# Allegro board 038RT-9068CJK8E-A100_0921_1.brd (continued)
## Placement (name value [footprint] x y rotation side) (continued)
UNK3CD175  0.1U-16-X7R-S4-TY  [C0402]  481.86 241.24 90 bottom
UNK3CD176  0.1U-16-X7R-S4-TY  [C0402]  492.48 241.24 90 bottom
UNK3CD177  0.1U-16-X7R-S4-TY  [C0402]  503.05 241.24 90 bottom
UNK3CD178  10U-16-X7R-S8-SS  [C0805]  400.93 241.7 180 bottom
UNK3CD179  10U-16-X7R-S8-SS  [C0805]  400.93 243.73 180 bottom
UNK3CD180  10U-16-X7R-S8-SS  [C0805]  395.6 241.7 0 bottom
UNK3CD181  10U-16-X7R-S8-SS  [C0805]  386.09 274.39 90 bottom
UNK3CD182  10U-16-X7R-S8-SS  [C0805]  426.3 262.69 270 bottom
UNK3CD183  10U-16-X7R-S8-SS  [C0805]  426.3 266.62 90 bottom
UNK3CG1  0.1U-16-X7R-S4-TY  [C0402_UNBGA_V2]  600.4 267.42 270 bottom
UNK3CG2  0.1U-16-X7R-S4-TY  [C0402_UNBGA_V2]  599.6 266.62 270 bottom
UNK3CG3  0.1U-16-X7R-S4-TY  [C0402_UNBGA_V2]  598.8 266.62 270 bottom
UNK3CG4  0.1U-16-X7R-S4-TY  [C0402_UNBGA_V2]  598 266.62 270 bottom
UNK3CG5  0.1U-16-X7R-S4-TY  [C0402_UNBGA_V2]  597.2 266.62 270 bottom
UNK3CG6  0.1U-16-X7R-S4-TY  [C0402_UNBGA_V2]  595.2 265.42 180 bottom
UNK3CG7  2.2U-10-X7S-S4-MU  [C0402_UNBGA_V2]  595.2 264.62 180 bottom
UNK3CG8  2.2U-10-X7S-S4-MU  [C0402_UNBGA_V2]  603.2 267.02 180 bottom
UNK3CG9  0.1U-16-X7R-S4-TY  [C0402_UNBGA_V2]  596.8 265.42 0 bottom
UNK3CG10  0.1U-16-X7R-S4-TY  [C0402_UNBGA_V2]  601.6 267.02 0 bottom
UNK3CG11  0.1U-16-X7R-S4-TY  [C0402_UNBGA_V2]  600.8 266.22 180 bottom
UNK3CG12  0.1U-16-X7R-S4-TY  [C0402_UNBGA_V2]  603.2 266.22 180 bottom
UNK3CG13  0.1U-16-X7R-S4-TY  [C0402_UNBGA_V2]  595.2 266.22 180 bottom
UNK3CG14  0.1U-16-X7R-S4-TY  [C0402_UNBGA_V2]  600.8 265.42 180 bottom
UNK3CG15  0.1U-16-X7R-S4-TY  [C0402_UNBGA_V2]  586.52 265.07 90 bottom
UNK3CG16  2.2U-10-X7S-S4-MU  [C0402_UNBGA_V2]  599.6 271.42 270 bottom
UNK3CG17  0.1U-16-X7R-S4-TY  [C0402_UNBGA_V2]  598.4 271.82 180 bottom
UNK3CG18  2.2U-10-X7S-S4-MU  [C0402_UNBGA_V2]  603.2 264.62 180 bottom
UNK3CG19  0.1U-16-X7R-S4-TY  [C0402_UNBGA_V2]  585.69 265.07 90 bottom
UNK3CG20  10U-16-X7R-S8-SS  [C0805]  623.43 327.66 0 top
UNK3CG21  10U-16-X7R-S8-SS  [C0805]  617.08 327.66 0 top
UNK3CG22  47U-10-X7R-SB-MU  [C1210]  623.43 332.74 90 top
UNK3CG23  47U-10-X7R-SB-MU  [C1210]  617.08 332.74 90 top
UNK3CG24  NC/100U-16-T-SC  [CODE_C]  617.08 341 90 top
UNK3CG25  NC/100U-16-T-SC  [CODE_C]  623.43 341 90 top
UNK3CG26  0.1U-16-X7R-S4-TY  [C0402_UNBGA_V2]  602 271.42 90 bottom
UNK3CG27  0.1U-16-X7R-S4-TY  [C0402_UNBGA_V2]  605.2 267.42 270 bottom
UNK3CG28  0.1U-16-X7R-S4-TY  [C0402_UNBGA_V2]  603.2 267.82 0 bottom
UNK3CG29  0.1U-16-X7R-S4-TY  [C0402_UNBGA_V2]  592 271.02 0 bottom
UNK3CG30  0.1U-16-X7R-S4-TY  [C0402_UNBGA_V2]  601.6 264.62 0 bottom
UNK3CG31  0.1U-16-X7R-S4-TY  [C0402_UNBGA_V2]  602 261.02 270 bottom
UNK3CG32  0.1U-16-X7R-S4-TY  [C0402_UNBGA_V2]  603.2 261.42 0 bottom
UNK3CG33  0.1U-16-X7R-S4-TY  [C0402_UNBGA_V2]  593.6 263.02 0 bottom
UNK3CG34  0.1U-16-X7R-S4-TY  [C0402_UNBGA_V2]  593.6 263.82 0 bottom
UNK3CG35  0.1U-16-X7R-S4-TY  [C0402_UNBGA_V2]  592 270.22 0 bottom
UNK3CG36  0.1U-16-X7R-S4-TY  [C0402_UNBGA_V2]  601.6 263.82 0 bottom
UNK3CG37  0.1U-16-X7R-S4-TY  [C0402_UNBGA_V2]  592.8 264.62 0 bottom
UNK3CG38  0.1U-16-X7R-S4-TY  [C0402_UNBGA_V2]  603.6 262.62 90 bottom
UNK3CG39  2.2U-10-X7S-S4-MU  [C0402_UNBGA_V2]  592 265.42 0 bottom
UNK3CG40  2.2U-10-X7S-S4-MU  [C0402_UNBGA_V2]  602 262.62 90 bottom
UNK3CG41  2.2U-10-X7S-S4-MU  [C0402_UNBGA_V2]  592 267.82 0 bottom
UNK3CG42  0.1U-16-X7R-S4-TY  [C0402_UNBGA_V2]  592.8 268.62 0 bottom
UNK3CG43  2.2U-10-X7S-S4-MU  [C0402_UNBGA_V2]  602.8 262.62 90 bottom
UNK3CG44  0.1U-16-X7R-S4-TY  [C0402_UNBGA_V2]  592 266.22 0 bottom
UNK3CG45  10U-16-X7R-S8-SS  [C0805]  617.08 306.07 0 top
UNK3CG46  10U-16-X7R-S8-SS  [C0805]  610.73 306.07 0 top
UNK3CG47  47U-10-X7R-SB-MU  [C1210]  617.08 311.15 90 top
UNK3CG48  NC/100U-16-T-SC  [CODE_C]  617.08 319.4 90 top
UNK3CG49  47U-10-X7R-SB-MU  [C1210]  610.73 311.15 90 top
UNK3CG50  NC/100U-16-T-SC  [CODE_C]  610.73 319.4 90 top
UNK3CG51  0.1U-16-X7R-S4-TY  [C0402_UNBGA_V2]  600.4 261.02 270 bottom
UNK3CG52  0.1U-16-X7R-S4-TY  [C0402_UNBGA_V2]  604 263.82 180 bottom
UNK3CG53  0.1U-16-X7R-S4-TY  [C0402_UNBGA_V2]  601.2 261.02 270 bottom
UNK3CG54  0.1U-16-X7R-S4-TY  [C0402_UNBGA_V2]  593.6 266.22 0 bottom
UNK3CG55  0.1U-16-X7R-S4-TY  [C0402_UNBGA_V2]  603.2 270.22 0 bottom
UNK3CG56  0.1U-16-X7R-S4-TY  [C0402_UNBGA_V2]  602.8 271.42 90 bottom
UNK3CG57  2.2U-10-X7S-S4-MU  [C0402_UNBGA_V2]  604.8 263.02 0 bottom
UNK3CG58  0.1U-16-X7R-S4-TY  [C0402_UNBGA_V2]  603.6 271.42 90 bottom
UNK3CG59  0.1U-16-X7R-S4-TY  [C0402_UNBGA_V2]  592.8 261.42 180 bottom
UNK3CG60  0.1U-16-X7R-S4-TY  [C0402_UNBGA_V2]  592.8 262.22 180 bottom
UNK3CG61  2.2U-10-X7S-S4-MU  [C0402_UNBGA_V2]  604.4 265.02 90 bottom
UNK3CG62  2.2U-10-X7S-S4-MU  [C0402_UNBGA_V2]  603.2 269.42 0 bottom
UNK3CG63  2.2U-10-X7S-S4-MU  [C0402_UNBGA_V2]  604 259.82 180 bottom
UNK3CG64  2.2U-10-X7S-S4-MU  [C0402_UNBGA_V2]  592.8 267.02 180 bottom
UNK3CG65  2.2U-10-X7S-S4-MU  [C0402_UNBGA_V2]  601.2 262.62 90 bottom
UNK3CG66  2.2U-10-X7S-S4-MU  [C0402_UNBGA_V2]  603.2 268.62 0 bottom
UNK3CG67  2.2U-10-X7S-S4-MU  [C0402_UNBGA_V2]  600.4 262.62 90 bottom
UNK3CG68  0.1U-16-X7R-S4-TY  [C0402_UNBGA_V2]  601.6 269.42 180 bottom
UNK3CG69  2.2U-10-X7S-S4-MU  [C0402_UNBGA_V2]  602 265.82 90 bottom
UNK3CG70  2.2U-10-X7S-S4-MU  [C0402_UNBGA_V2]  604 260.62 180 bottom
UNK3CG71  0.1U-16-X7R-S4-TY  [C0402_UNBGA_V2]  601.6 268.62 180 bottom
UNK3CG72  0.1U-16-X7R-S4-TY  [C0402_UNBGA_V2]  600.4 269.82 270 bottom
UNK3CG73  0.1U-16-X7R-S4-TY  [C0402_UNBGA_V2]  601.6 267.82 0 bottom
UNK3CG74  10U-16-X7R-S8-SS  [C0805]  602.92 283.6 90 bottom
UNK3CG75  10U-16-X7R-S8-SS  [C0805]  594.49 285.94 180 bottom
UNK3CG76  47U-10-X7R-SB-MU  [C1210]  572.63 311.15 90 top
UNK3CG77  NC/100U-16-T-SC  [CODE_C]  578.98 319.4 90 top
UNK3CG78  47U-10-X7R-SB-MU  [C1210]  578.98 311.15 90 top
UNK3CG79  NC/100U-16-T-SC  [CODE_C]  572.63 319.4 90 top
UNK3CG80  1U-16-X-S6-TY  [C0603]  584.55 265.11 90 bottom
UNK3CG81  10U-16-X7R-S8-SS  [C0805]  582.8 265.14 90 bottom
UNK3CG82  1U-16-X-S6-TY  [C0603]  583.06 270.33 270 bottom
UNK3CG83  0.1U-16-X7R-S4-TY  [C0402_UNBGA_V2]  596.4 263.42 270 bottom
UNK3CG84  0.1U-16-X7R-S4-TY  [C0402_UNBGA_V2]  595.2 263.82 180 bottom
UNK3CG85  0.1U-16-X7R-S4-TY  [C0402_UNBGA_V2]  595.2 263.02 180 bottom
UNK3CG86  10U-16-X7R-S8-SS  [C0805]  581.31 270.36 270 bottom
UNK3CG87  1U-16-X-S6-TY  [C0603]  594.47 277.75 0 bottom
UNK3CG88  10U-16-X7R-S8-SS  [C0805]  594.5 279.5 0 bottom
UNK3CG89  0.1U-16-X7R-S4-TY  [C0402_UNBGA_V2]  584.24 256.34 90 bottom
UNK3CG90  1U-16-X-S6-TY  [C0603]  598.28 277.75 180 bottom
UNK3CG91  0.1U-16-X7R-S4-TY  [C0402_UNBGA_V2]  592.37 263.42 90 bottom
UNK3CG92  0.1U-16-X7R-S4-TY  [C0402_UNBGA_V2]  596 260.62 0 bottom
UNK3CG93  10U-16-X7R-S8-SS  [C0805]  566.28 316.23 0 top
UNK3CG94  10U-16-X7R-S8-SS  [C0805]  575.54 256.39 270 bottom
UNK3CG95  47U-10-X7R-SB-MU  [C1210]  566.91 320.68 90 top
UNK3CG96  10U-16-X7R-S8-SS  [C0805]  598.31 279.5 180 bottom
UNK3CG97  47U-10-X7R-SB-MU  [C1210]  559.93 320.68 90 top
UNK3CG98  1U-16-X-S6-TY  [C0603]  583.1 260.41 90 bottom
UNK3CG99  10U-16-X7R-S8-SS  [C0805]  581.34 260.44 90 bottom
UNK3CG100  1U-16-X-S6-TY  [C0603]  583.1 256.38 90 bottom
UNK3CG101  1U-16-X-S6-TY  [C0603]  603.31 292.55 0 top
UNK3CG102  1U-16-X-S6-TY  [C0603]  568.6 262.89 180 bottom
UNK3CG103  1U-16-X-S6-TY  [C0603]  568.6 266.06 180 bottom
UNK3CG104  1U-16-X-S6-TY  [C0603]  606.16 277.75 180 bottom
UNK3CG105  10U-16-X7R-S8-SS  [C0805]  606.19 279.5 180 bottom
UNK3CG106  1U-16-X-S6-TY  [C0603]  594.19 252.92 0 bottom
UNK3CG107  10U-16-X7R-S8-SS  [C0805]  594.16 251.16 0 bottom
UNK3CG108  10U-16-X7R-S8-SS  [C0805]  579.16 275.41 90 bottom
UNK3CG109  1U-16-X-S6-TY  [C0603]  573.35 265.14 270 bottom
UNK3CG110  1U-16-X-S6-TY  [C0603]  577.27 270.33 90 bottom
UNK3CG111  1U-16-X-S6-TY  [C0603]  594.49 283.92 180 bottom
UNK3CG112  1U-16-X-S6-TY  [C0603]  577.31 256.39 270 bottom
UNK3CG113  1U-10-X7R-S8  [C0805]  598.3 283.92 0 bottom
UNK3CG114  22U-10-X7S-S8-TDK  [C0805]  602.92 279.78 90 bottom
UNK3CG115  10U-16-X7R-S8-SS  [C0805]  598.3 285.94 0 bottom
UNK3CG116  10U-16-X7R-S8-SS  [C0805]  585.33 306.07 180 top
UNK3CG117  NC/100U-16-T-SC  [CODE_C]  585.33 319.4 90 top
UNK3CG118  47U-10-X7R-SB-MU  [C1210]  585.33 311.15 90 top
UNK3CG119  47U-10-X7R-SB-MU  [C1210]  591.68 311.15 90 top
UNK3CG120  NC/100U-16-T-SC  [CODE_C]  591.68 319.4 90 top
UNK3CG121  10U-16-X7R-S8-SS  [C0805]  604.38 306.07 180 top
UNK3CG122  10U-16-X7R-S8-SS  [C0805]  598.03 306.07 180 top
UNK3CG123  47U-10-X7R-SB-MU  [C1210]  604.38 311.15 90 top
UNK3CG124  NC/100U-16-T-SC  [CODE_C]  598.03 319.4 90 top
UNK3CG125  47U-10-X7R-SB-MU  [C1210]  598.03 311.15 90 top
UNK3CG126  NC/100U-16-T-SC  [CODE_C]  604.38 319.4 90 top
UNK3CG127  0.1U-16-X7R-S4-TY  [C0402_UNBGA_V2]  597.2 269.02 90 bottom
UNK3CG128  0.1U-16-X7R-S4-TY  [C0402_UNBGA_V2]  594.8 267.42 90 bottom
UNK3CG129  0.1U-16-X7R-S4-TY  [C0402_UNBGA_V2]  594.4 269.42 0 bottom
UNK3CG130  0.1U-16-X7R-S4-TY  [C0402_UNBGA_V2]  596 269.42 180 bottom
UNK3CG131  0.1U-16-X7R-S4-TY  [C0402_UNBGA_V2]  596 271.82 180 bottom
UNK3CG132  0.1U-16-X7R-S4-TY  [C0402_UNBGA_V2]  594.4 271.82 180 bottom
UNK3CG133  0.1U-16-X7R-S4-TY  [C0402_UNBGA_V2]  592.8 271.82 180 bottom
UNK3CG134  2.2U-10-X7S-S4-MU  [C0402_UNBGA_V2]  592.8 269.42 180 bottom
UNK3CG135  1U-16-X-S6-TY  [C0603]  575.24 275.41 270 bottom
UNK3CG136  2.2U-10-X7S-S4-MU  [C0402_UNBGA_V2]  601.2 273.82 90 bottom
UNK3CG137  0.1U-16-X7R-S4-TY  [C0402_UNBGA_V2]  601.2 272.22 270 bottom
UNK3CG138  0.1U-16-X7R-S4-TY  [C0402_UNBGA_V2]  604.8 274.22 0 bottom
UNK3CG139  0.1U-16-X7R-S4-TY  [C0402_UNBGA_V2]  604.4 273.02 270 bottom
UNK3CG140  1U-16-X-S6-TY  [C0603]  598.13 252.92 180 bottom
UNK3CG141  10U-16-X7R-S8-SS  [C0805]  598.1 251.16 180 bottom
UNK3CG142  10U-16-X7R-S8-SS  [C0805]  581.34 256.41 90 bottom
UNK3CG143  1U-16-X-S6-TY  [C0603]  580.92 275.38 90 bottom
UNK3CG144  1U-16-X-S6-TY  [C0603]  606.17 283.92 0 bottom
UNK3CG145  2.2U-10-X7S-S4-MU  [C0402_UNBGA_V2]  594 258.62 270 bottom
UNK3CG146  0.1U-16-X7R-S4-TY  [C0402_UNBGA_V2]  594.18 254.06 0 bottom
UNK3CG147  0.1U-16-X7R-S4-TY  [C0402_UNBGA_V2]  594.4 260.62 0 bottom
UNK3CG148  0.1U-16-X7R-S4-TY  [C0402_UNBGA_V2]  593.2 260.22 90 bottom
UNK3CG149  1U-16-X-S6-TY  [C0603]  594.18 247.12 180 bottom
UNK3CG150  2.2U-10-X7S-S4-MU  [C0402_UNBGA_V2]  599.6 258.62 270 bottom
UNK3CG151  0.1U-16-X7R-S4-TY  [C0402_UNBGA_V2]  599.6 260.22 90 bottom
UNK3CG152  0.1U-16-X7R-S4-TY  [C0402_UNBGA_V2]  602.8 260.22 90 bottom
UNK3CG154  1U-16-X-S6-TY  [C0603]  598.11 247.12 0 bottom
UNK3CG155  10U-16-X7R-S8-SS  [C0805]  575.54 260.42 270 bottom
UNK3CG156  10U-16-X7R-S8-SS  [C0805]  566.26 306.07 180 top
UNK3CG158  47U-10-X7R-SB-MU  [C1210]  559.93 311.15 90 top
UNK3CG159  47U-10-X7R-SB-MU  [C1210]  566.28 311.15 90 top
UNK3CG161  2.2U-10-X7S-S4-MU  [C0402_UNBGA_V2]  599.6 265.02 90 bottom
UNK3CG162  0.1U-16-X7R-S4-TY  [C0402_UNBGA_V2]  598.8 265.02 90 bottom
UNK3CG163  0.1U-16-X7R-S4-TY  [C0402_UNBGA_V2]  598.8 269.02 90 bottom
UNK3CG164  0.1U-16-X7R-S4-TY  [C0402_UNBGA_V2]  598 269.02 90 bottom
UNK3CG165  0.1U-16-X7R-S4-TY  [C0402_UNBGA_V2]  598.8 263.42 270 bottom
UNK3CG166  0.1U-16-X7R-S4-TY  [C0402_UNBGA_V2]  599.6 263.42 270 bottom
UNK3CG167  1U-16-X-S6-TY  [C0603]  577.31 260.42 270 bottom
UNK3CG169  10U-16-X7R-S8-SS  [C0805]  623.43 306.07 0 top
UNK3CG170  10U-16-X7R-S8-SS  [C0805]  610.73 327.66 0 top
UNK3CG171  47U-10-X7R-SB-MU  [C1210]  611.36 332.74 90 top
UNK3CG172  NC/100U-16-T-SC  [CODE_C]  623.43 319.4 90 top
UNK3CG173  47U-10-X7R-SB-MU  [C1210]  623.43 311.15 90 top
UNK3CG174  NC/100U-16-T-SC  [CODE_C]  611.36 341 90 top
UNK3CG178  10U-16-X7R-S8-SS  [C0805]  573.48 270.33 90 bottom
UNK3CG179  10U-16-X7R-S8-SS  [C0805]  575.51 270.33 90 bottom
UNK3CG180  10U-16-X7R-S8-SS  [C0805]  573.48 275.41 270 bottom
UNK3CG181  10U-16-X7R-S8-SS  [C0805]  606.17 285.94 0 bottom
UNK3CG182  10U-16-X7R-S8-SS  [C0805]  594.18 245.22 180 bottom
UNK3CG183  10U-16-X7R-S8-SS  [C0805]  598.11 245.22 0 bottom
UNK3CG326  1U-100-X7S-S8-TDK  [C0805]  623.43 268.61 90 bottom
UNK3CG327  4.7U-100-X-SB-MU  [C1210]  627.24 268.61 90 top
UNK3CH11  0.1U-16-X7R-S4-TY  [C0402]  491.67 455.58 90 top
UNK3CH21  0.1U-16-X7R-S4-TY  [C0402]  429.66 455.58 90 top
UNK3CH111  4.7U-25-X7R-S8-TY  [C0805]  469.45 423.21 0 bottom
UNK3CH112  0.1U-16-X7R-S4-TY  [C0402]  468.92 431.98 180 bottom
UNK3CH121  4.7U-25-X7R-S8-TY  [C0805]  461.34 421.18 180 bottom
UNK3CH122  0.1U-16-X7R-S4-TY  [C0402]  468.92 430.83 180 bottom
UNK3CH131  0.1U-16-X7R-S4-TY  [C0402]  439.47 455.8 180 bottom
UNK3CH141  4.7U-25-X7R-S8-TY  [C0805]  482.52 431.47 270 bottom
UNK3CH142  0.1U-16-X7R-S4-TY  [C0402]  466.65 433.84 180 bottom
UNK3CH152  0.1U-16-X7R-S4-TY  [C0402]  461.35 433.24 90 bottom
UNK3CH153  18P-50-N-S4-SS  [C0402]  457.57 428.68 0 bottom
UNK3CH154  18P-50-N-S4-SS  [C0402]  459.6 428.68 180 bottom
UNK3CH167  0.22U-16-X7R-S4-SS  [C0402]  467.8 427.91 90 top
UNK3CH168  0.22U-16-X7R-S4-SS  [C0402]  468.94 427.91 90 top
UNK3CH211  4.7U-25-X7R-S8-TY  [C0805]  407.44 423.21 0 bottom
UNK3CH212  0.1U-16-X7R-S4-TY  [C0402]  406.91 431.98 180 bottom
UNK3CH221  4.7U-25-X7R-S8-TY  [C0805]  399.33 421.18 180 bottom
UNK3CH222  0.1U-16-X7R-S4-TY  [C0402]  406.91 430.83 180 bottom
UNK3CH241  4.7U-25-X7R-S8-TY  [C0805]  420.51 431.47 270 bottom
UNK3CH242  0.1U-16-X7R-S4-TY  [C0402]  404.64 433.84 180 bottom
UNK3CH252  0.1U-16-X7R-S4-TY  [C0402]  399.34 433.24 90 bottom
UNK3CH253  18P-50-N-S4-SS  [C0402]  395.56 428.68 0 bottom
UNK3CH254  18P-50-N-S4-SS  [C0402]  397.6 428.68 180 bottom
UNK3CH267  0.22U-16-X7R-S4-SS  [C0402]  405.79 427.91 90 top
UNK3CH268  0.22U-16-X7R-S4-SS  [C0402]  406.93 427.91 90 top
UNK3CH1111  4.7U-25-X7R-S8-TY  [C0805]  480.09 436.05 0 bottom
UNK3CH1112  0.1U-16-X7R-S4-TY  [C0402]  466.65 436.64 180 bottom
UNK3CH1171  4.7U-25-X7R-S8-TY  [C0805]  468.79 443.61 90 bottom
UNK3CH1172  4.7U-25-X7R-S8-TY  [C0805]  461.46 444.7 90 bottom
UNK3CH1173  0.1U-16-X7R-S4-TY  [C0402]  468.99 439.98 0 bottom
UNK3CH1174  0.1U-16-X7R-S4-TY  [C0402]  468.99 441.25 0 bottom
UNK3CH1201  4.7U-25-X7R-S8-TY  [C0805]  470.58 446.46 0 bottom
UNK3CH1202  0.1U-16-X7R-S4-TY  [C0402]  466.45 438.39 270 bottom
UNK3CH1251  4.7U-25-X7R-S8-TY  [C0805]  470.58 448.68 0 bottom
UNK3CH1252  0.1U-16-X7R-S4-TY  [C0402]  464.44 438.45 270 bottom
UNK3CH1331  0.1U-16-X7R-S4-TY  [C0402]  462.04 438.45 270 bottom
UNK3CH1332  0.1U-16-X7R-S4-TY  [C0402]  439.67 444.35 180 bottom
UNK3CH1333  4.7U-25-X7R-S8-TY  [C0805]  438.87 442.32 180 bottom
UNK3CH1334  4.7U-25-X7R-S8-TY  [C0805]  438.87 439.78 180 bottom
UNK3CH1341  4.7U-25-X7R-S8-TY  [C0805]  459.43 444.7 90 bottom
UNK3CH1342  0.1U-16-X7R-S4-TY  [C0402]  460.9 438.45 270 bottom
UNK3CH1351  4.7U-25-X7R-S8-TY  [C0805]  454.88 441.63 180 bottom
UNK3CH1352  0.1U-16-X7R-S4-TY  [C0402]  459.26 438.98 0 bottom
UNK3CH1361  1U-16-X-S6-TY  [C0603]  449.01 436.12 90 bottom
UNK3CH1362  1U-16-X-S6-TY  [C0603]  449.01 432.43 270 bottom
UNK3CH1363  0.1U-16-X7R-S4-TY  [C0402]  454.97 437.37 90 bottom
UNK3CH1364  0.1U-16-X7R-S4-TY  [C0402]  456.12 437.37 90 bottom
UNK3CH1391  4.7U-25-X7R-S8-TY  [C0805]  454.88 439.6 180 bottom
UNK3CH1392  0.1U-16-X7R-S4-TY  [C0402]  459.26 437.84 0 bottom
UNK3CH1401  1U-16-X-S6-TY  [C0603]  450.48 436.12 90 bottom
UNK3CH1402  1U-16-X-S6-TY  [C0603]  451.96 436.12 90 bottom
UNK3CH1403  0.1U-16-X7R-S4-TY  [C0402]  459.26 433.26 0 bottom
UNK3CH1404  0.1U-16-X7R-S4-TY  [C0402]  459.26 434.41 0 bottom
UNK3CH1501  1U-16-X-S6-TY  [C0603]  451.96 432.43 270 bottom
UNK3CH1502  1U-16-X-S6-TY  [C0603]  450.48 432.43 270 bottom
UNK3CH1503  0.1U-16-X7R-S4-TY  [C0402]  459.26 435.55 0 bottom
UNK3CH1504  0.1U-16-X7R-S4-TY  [C0402]  459.26 436.69 0 bottom
UNK3CH1551  4.7U-25-X7R-S8-TY  [C0805]  461.34 423.24 180 bottom
UNK3CH1552  1U-16-X-S6-TY  [C0603]  462.46 429.49 270 bottom
UNK3CH1601  4.7U-25-X7R-S8-TY  [C0805]  465 423.24 0 bottom
UNK3CH1602  1U-16-X-S6-TY  [C0603]  463.87 429.49 270 bottom
UNK3CH1631  4.7U-25-X7R-S8-TY  [C0805]  465 421.18 0 bottom
UNK3CH1632  0.1U-16-X7R-S4-TY  [C0402]  465.14 429.18 270 bottom
UNK3CH1633  0.1U-16-X7R-S4-TY  [C0402]  479.9 437.69 0 bottom
UNK3CH1634  4.7U-25-X7R-S8-TY  [C0805]  480.09 439.29 0 bottom
UNK3CH2111  4.7U-25-X7R-S8-TY  [C0805]  418.08 436.05 0 bottom
UNK3CH2112  0.1U-16-X7R-S4-TY  [C0402]  404.64 436.64 180 bottom
UNK3CH2171  4.7U-25-X7R-S8-TY  [C0805]  406.78 443.61 90 bottom
UNK3CH2172  4.7U-25-X7R-S8-TY  [C0805]  399.45 444.7 90 bottom
UNK3CH2173  0.1U-16-X7R-S4-TY  [C0402]  406.98 439.98 0 bottom
UNK3CH2174  0.1U-16-X7R-S4-TY  [C0402]  406.98 441.25 0 bottom
UNK3CH2201  4.7U-25-X7R-S8-TY  [C0805]  408.57 446.46 0 bottom
UNK3CH2202  0.1U-16-X7R-S4-TY  [C0402]  404.44 438.39 270 bottom
UNK3CH2251  4.7U-25-X7R-S8-TY  [C0805]  408.57 448.68 0 bottom
UNK3CH2252  0.1U-16-X7R-S4-TY  [C0402]  402.43 438.45 270 bottom
UNK3CH2331  0.1U-16-X7R-S4-TY  [C0402]  400.03 438.45 270 bottom
UNK3CH2341  4.7U-25-X7R-S8-TY  [C0805]  397.42 444.7 90 bottom
UNK3CH2342  0.1U-16-X7R-S4-TY  [C0402]  398.89 438.45 270 bottom
UNK3CH2351  4.7U-25-X7R-S8-TY  [C0805]  392.88 441.63 180 bottom
UNK3CH2352  0.1U-16-X7R-S4-TY  [C0402]  397.25 438.98 0 bottom
UNK3CH2361  1U-16-X-S6-TY  [C0603]  387 436.12 90 bottom
UNK3CH2362  1U-16-X-S6-TY  [C0603]  387 432.43 270 bottom
UNK3CH2363  0.1U-16-X7R-S4-TY  [C0402]  392.96 437.37 90 bottom
UNK3CH2364  0.1U-16-X7R-S4-TY  [C0402]  394.11 437.37 90 bottom
UNK3CH2391  4.7U-25-X7R-S8-TY  [C0805]  392.88 439.6 180 bottom
UNK3CH2392  0.1U-16-X7R-S4-TY  [C0402]  397.25 437.84 0 bottom
UNK3CH2401  1U-16-X-S6-TY  [C0603]  388.47 436.12 90 bottom
UNK3CH2402  1U-16-X-S6-TY  [C0603]  389.95 436.12 90 bottom
UNK3CH2403  0.1U-16-X7R-S4-TY  [C0402]  397.25 433.26 0 bottom
UNK3CH2404  0.1U-16-X7R-S4-TY  [C0402]  397.25 434.41 0 bottom
UNK3CH2501  1U-16-X-S6-TY  [C0603]  389.95 432.43 270 bottom
UNK3CH2502  1U-16-X-S6-TY  [C0603]  388.47 432.43 270 bottom
UNK3CH2503  0.1U-16-X7R-S4-TY  [C0402]  397.25 435.55 0 bottom
UNK3CH2504  0.1U-16-X7R-S4-TY  [C0402]  397.25 436.69 0 bottom
UNK3CH2551  4.7U-25-X7R-S8-TY  [C0805]  399.33 423.24 180 bottom
UNK3CH2552  1U-16-X-S6-TY  [C0603]  400.45 429.49 270 bottom
UNK3CH2601  4.7U-25-X7R-S8-TY  [C0805]  402.99 423.24 0 bottom
UNK3CH2602  1U-16-X-S6-TY  [C0603]  401.87 429.49 270 bottom
UNK3CH2631  4.7U-25-X7R-S8-TY  [C0805]  402.99 421.18 0 bottom
UNK3CH2632  0.1U-16-X7R-S4-TY  [C0402]  403.13 429.18 270 bottom
UNK3CH2633  0.1U-16-X7R-S4-TY  [C0402]  417.89 437.69 0 bottom
UNK3CH2634  4.7U-25-X7R-S8-TY  [C0805]  418.08 439.29 0 bottom
UNK3CMOS1  DMC1015UPD-13-POWERDI5060-8  [TRANS_POWERPAK_8P]  359.89 287.33 90 bottom
UNK3CON1  RJ45-1X1-D90-KINSUN-1  [CONN_RJ45_1X1D90_8P_90754D]  682.83 184.4 270 bottom
UNK3CON3  RJ45-1X1-D90-KINSUN-1  [CONN_RJ45_1X1D90_8P_90754D]  682.83 152.02 270 bottom
UNK3CS1  22U-10-X7S-S8-TDK  [C0805]  566.92 452.51 0 top
UNK3CS2  100P-50-N-S4-YA  [C0402]  573.59 450.93 180 top
UNK3CS3  22U-10-X7S-S8-TDK  [C0805]  563.11 448.39 270 top
UNK3CS4  22U-10-X7S-S8-TDK  [C0805]  560.57 448.39 270 top
UNK3CS5  22P-50-N-S4-YA  [C0402]  573.59 448.39 0 top
UNK3CS61  0.1U-16-X7R-S4-TY  [C0402]  560.6 243.32 0 bottom
UNK3CS62  0.1U-16-X7R-S4-TY  [C0402]  560.6 244.48 0 bottom
UNK3CS63  0.1U-16-X7R-S4-TY  [C0402]  560.6 245.82 0 bottom
UNK3CS64  0.1U-16-X7R-S4-TY  [C0402]  560.6 246.99 0 bottom
UNK3CS71  0.1U-16-X7R-S4-TY  [C0402]  560.6 252.33 0 bottom
UNK3CS72  0.1U-16-X7R-S4-TY  [C0402]  560.6 253.5 0 bottom
UNK3CS73  0.1U-16-X7R-S4-TY  [C0402]  560.6 254.84 0 bottom
UNK3CS74  0.1U-16-X7R-S4-TY  [C0402]  560.6 256.01 0 bottom
UNK3CS101  0.1U-16-X7R-S4-TY  [C0402]  567.57 275.16 0 top
UNK3CS102  0.1U-16-X7R-S4-TY  [C0402]  567.57 276.33 0 top
UNK3CS103  0.22U-16-X7R-S4-SS  [C0402]  452.7 246.7 0 bottom
UNK3CS104  0.22U-16-X7R-S4-SS  [C0402]  452.7 245.53 0 bottom
UNK3CS107  0.1U-16-X7R-S4-TY  [C0402]  559.12 268.98 0 bottom
UNK3CS108  0.1U-16-X7R-S4-TY  [C0402]  559.12 270.15 0 bottom
UNK3CS111  0.1U-16-X7R-S4-TY  [C0402]  567.57 272.65 0 top
UNK3CS112  0.1U-16-X7R-S4-TY  [C0402]  567.57 273.82 0 top
UNK3CS113  0.22U-16-X7R-S4-SS  [C0402]  452.7 254.7 0 bottom
UNK3CS114  0.22U-16-X7R-S4-SS  [C0402]  452.7 253.53 0 bottom
UNK3CS117  0.1U-16-X7R-S4-TY  [C0402]  559.12 266.12 0 bottom
UNK3CS118  0.1U-16-X7R-S4-TY  [C0402]  559.12 267.29 0 bottom
UNK3GPHY2  CU/CONN-F-9-2304372-9-TE-V2  [CONN_SPECIFIC_8P_TE_V2]  679.31 288.93 270 bottom
UNK3GPHY3  CU/CONN-F-9-2304372-9-TE-V2  [CONN_SPECIFIC_8P_TE_V2]  679.31 269.88 270 bottom
UNK3HOST1  RTL9210-QFN68/CU/RTL9210-QFN68-8X8  [SK_QFN8X8_68P_0P4MM_ISC]  464.04 435.84 180 top
UNK3HOST2  RTL9210-QFN68/CU/RTL9210-QFN68-8X8  [SK_QFN8X8_68P_0P4MM_ISC]  402.03 435.84 180 top
UNK3K4  CU/EC2-12NJ-A  [RL_NAL_12V]  504.82 429.82 90 top
UNK3K5  CU/EC2-12NJ-A  [RL_NAL_12V]  371.87 425.2 90 top
UNK3K6  CU/EC2-12NJ-A  [RL_NAL_12V]  567.72 432.08 90 top
UNK3K7  CU/EC2-12NJ-A  [RL_NAL_12V]  537.79 443.12 90 top
UNK3K11  CU/EC2-12NJ-A  [RL_NAL_12V]  371.95 280.09 0 bottom
UNK3K34  CU/UA2-12NJ-A-V2_EX  [RL_NECUA2_12V_V2]  432.88 273.23 180 bottom
UNK3K52  CU/UA2-12NJ-A-V2  [RL_NECUA2_12V_V2]  633.1 351.76 90 top
UNK3K54  CU/UA2-12NJ-A-V2  [RL_NECUA2_12V_V2]  633.1 364.47 90 top
UNK3K56  CU/UA2-12NJ-A-V2  [RL_NECUA2_12V_V2]  640.14 351.76 90 top
UNK3K58  CU/UA2-12NJ-A-V2  [RL_NECUA2_12V_V2]  640.14 364.47 90 top
UNK3K60  CU/UA2-12NJ-A-V2  [RL_NECUA2_12V_V2]  377.21 264.6 180 bottom
UNK3K64  CU/UA2-12NJ-A-V2  [RL_NECUA2_12V_V2]  351.8 264.6 0 bottom
UNK3K124  CU/UA2-12NJ-A-V2  [RL_NECUA2_12V_V2]  533.38 274.5 180 bottom
UNK3K130  CU/UA2-12NJ-A-V2  [RL_NECUA2_12V_V2]  377.21 271.71 180 bottom
UNK3K140  CU/UA2-12NJ-A-V2  [RL_NECUA2_12V_V2]  351.8 271.71 0 bottom
UNK3K144  PI3DBS12412AZHE-TQFN42  [TQFN9X3P5_42P_0P5MM_EP]  646.92 271.78 0 bottom
UNK3K145  PI3DBS12412AZHE-TQFN42  [TQFN9X3P5_42P_0P5MM_EP]  661.53 278.13 180 bottom
UNK3K180  CU/UA2-12NJ-A-V2  [RL_NECUA2_12V_V2]  486.11 274.5 180 bottom
UNK3K181  CU/UA2-12NJ-A-V2  [RL_NECUA2_12V_V2]  501.87 274.5 180 bottom
UNK3K182  CU/UA2-12NJ-A-V2  [RL_NECUA2_12V_V2]  517.63 262.08 180 bottom
UNK3K183  CU/UA2-12NJ-A-V2  [RL_NECUA2_12V_V2]  501.87 262.08 180 bottom
UNK3K184  PI3DBS12412AZHE-TQFN42  [TQFN9X3P5_42P_0P5MM_EP]  553.58 251.66 0 bottom
UNK3K211  CU/UA2-12NJ-A-V2  [RL_NECUA2_12V_V2]  496.38 421.96 90 top
UNK3K212  CU/UA2-12NJ-A-V2  [RL_NECUA2_12V_V2]  490.18 421.96 90 top
UNK3K213  PI3DBS12412AZHE-TQFN42_EX  [TQFN9X3P5_42P_0P5MM_EP]  445.46 253.12 0 bottom
UNK3K214  PI3DBS12412AZHE-TQFN42_EX  [TQFN9X3P5_42P_0P5MM_EP]  467.68 253.12 0 bottom
UNK3K217  PI3DBS12412AZHE-TQFN42_EX  [TQFN9X3P5_42P_0P5MM_EP]  553.58 267.82 0 bottom
UNK3K220  CU/UA2-12NJ-A-V2  [RL_NECUA2_12V_V2]  428.17 421.96 90 top
UNK3K221  CU/UA2-12NJ-A-V2  [RL_NECUA2_12V_V2]  434.37 421.96 90 top
UNK3K223  CU/EC2-12NJ-A  [RL_NAL_12V]  371.95 287.71 0 bottom
UNK3K225  CU/UA2-12NJ-A-V2  [RL_NECUA2_12V_V2]  549.02 240 0 bottom
UNK3K226  CU/UA2-12NJ-A-V2  [RL_NECUA2_12V_V2]  533.78 240 0 bottom
UNK3K227  CU/UA2-12NJ-A-V2  [RL_NECUA2_12V_V2]  549.02 233.65 0 bottom
UNK3K228  CU/UA2-12NJ-A-V2  [RL_NECUA2_12V_V2]  533.78 233.65 0 bottom
UNK3K231  CU/UA2-12NJ-A-V2  [RL_NECUA2_12V_V2]  501.87 268.29 180 bottom
UNK3K232  CU/UA2-12NJ-A-V2  [RL_NECUA2_12V_V2]  517.63 274.5 180 bottom
UNK3K233  CU/UA2-12NJ-A-V2  [RL_NECUA2_12V_V2]  517.63 268.29 180 bottom
UNK3K240  CU/UA2-12NJ-A-V2  [RL_NECUA2_12V_V2]  551.62 428.05 270 top
UNK3K241  CU/UA2-12NJ-A-V2  [RL_NECUA2_12V_V2]  537.65 428.45 90 top
UNK3K242  CU/UA2-12NJ-A-V2  [RL_NECUA2_12V_V2]  557.97 428.05 270 top
UNK3K243  CU/UA2-12NJ-A-V2  [RL_NECUA2_12V_V2]  544 428.45 90 top
UNK3L3  L2.2U-10A-S6.8X6.6-BO  [IND_6P6X6P4XH5MM]  352.9 287.33 90 bottom
UNK3LH11  L2.2U-1.15A-S2.0X1.6-TDK  [IND_VL252012E]  473.06 439.34 180 bottom
UNK3LH21  L2.2U-1.15A-S2.0X1.6-TDK  [IND_VL252012E]  411.05 439.34 180 bottom
UNK3LX1  L1U-3.3A-S2.5X2-TY  [IND_VL252012E]  570.73 448.39 270 top
UNK3MQS1  MQS-9X2-MR  [CONN_19635391_18P_90]  683.79 340.36 90 bottom
UNK3PT1  PT-RJ45-1X1-20X18X12  [RJ45_1X1D90_8P_PROTECTOR]  682.28 152.02 270 bottom
UNK3PT3  PT-RJ45-1X1-20X18X12  [RJ45_1X1D90_8P_PROTECTOR]  682.28 184.4 270 bottom
UNK3PT23  PT-CONN-2X1-50X16X11  [PROTECTOR_CONN_SPECIFIC_2PORT]  679.31 279.4 90 bottom
UNK3R2  NC/100K-1-S4  [R0402]  358.41 265.42 180 bottom
UNK3R3  NC/100K-1-S4  [R0402]  370.6 263.26 0 bottom
UNK3R5  NC/100K-1-S4  [R0402]  358.41 273.04 180 bottom
UNK3R6  NC/100K-1-S4  [R0402]  633.37 276.83 180 top
UNK3R7  NC/100K-1-S4  [R0402]  633.37 283.31 180 top
UNK3R9  NC/100K-1-S4  [R0402]  620.85 272.1 0 bottom
UNK3R10  NC/100K-1-S4  [R0402]  370.6 270.88 0 bottom
UNK3R18  0-5-S8  [R0805]  543.61 447.8 180 top
UNK3R19  NC/100K-1-S4  [R0402]  620.85 267.4 0 bottom
UNK3R20  0-5-S8  [R0805]  655.18 141.61 270 bottom
UNK3R21  0-5-S8  [R0805]  666.92 319.98 270 bottom
UNK3R24  1M-1-S4  [R0402]  556.12 286.57 90 bottom
UNK3R26  10K-1-S4  [R0402]  556.12 284.17 90 bottom
UNK3R45  NC/10K-1-S4  [R0402]  537.07 286.57 90 bottom